# KiCad board 4servoboard-4x4.kicad_pcb (continued)
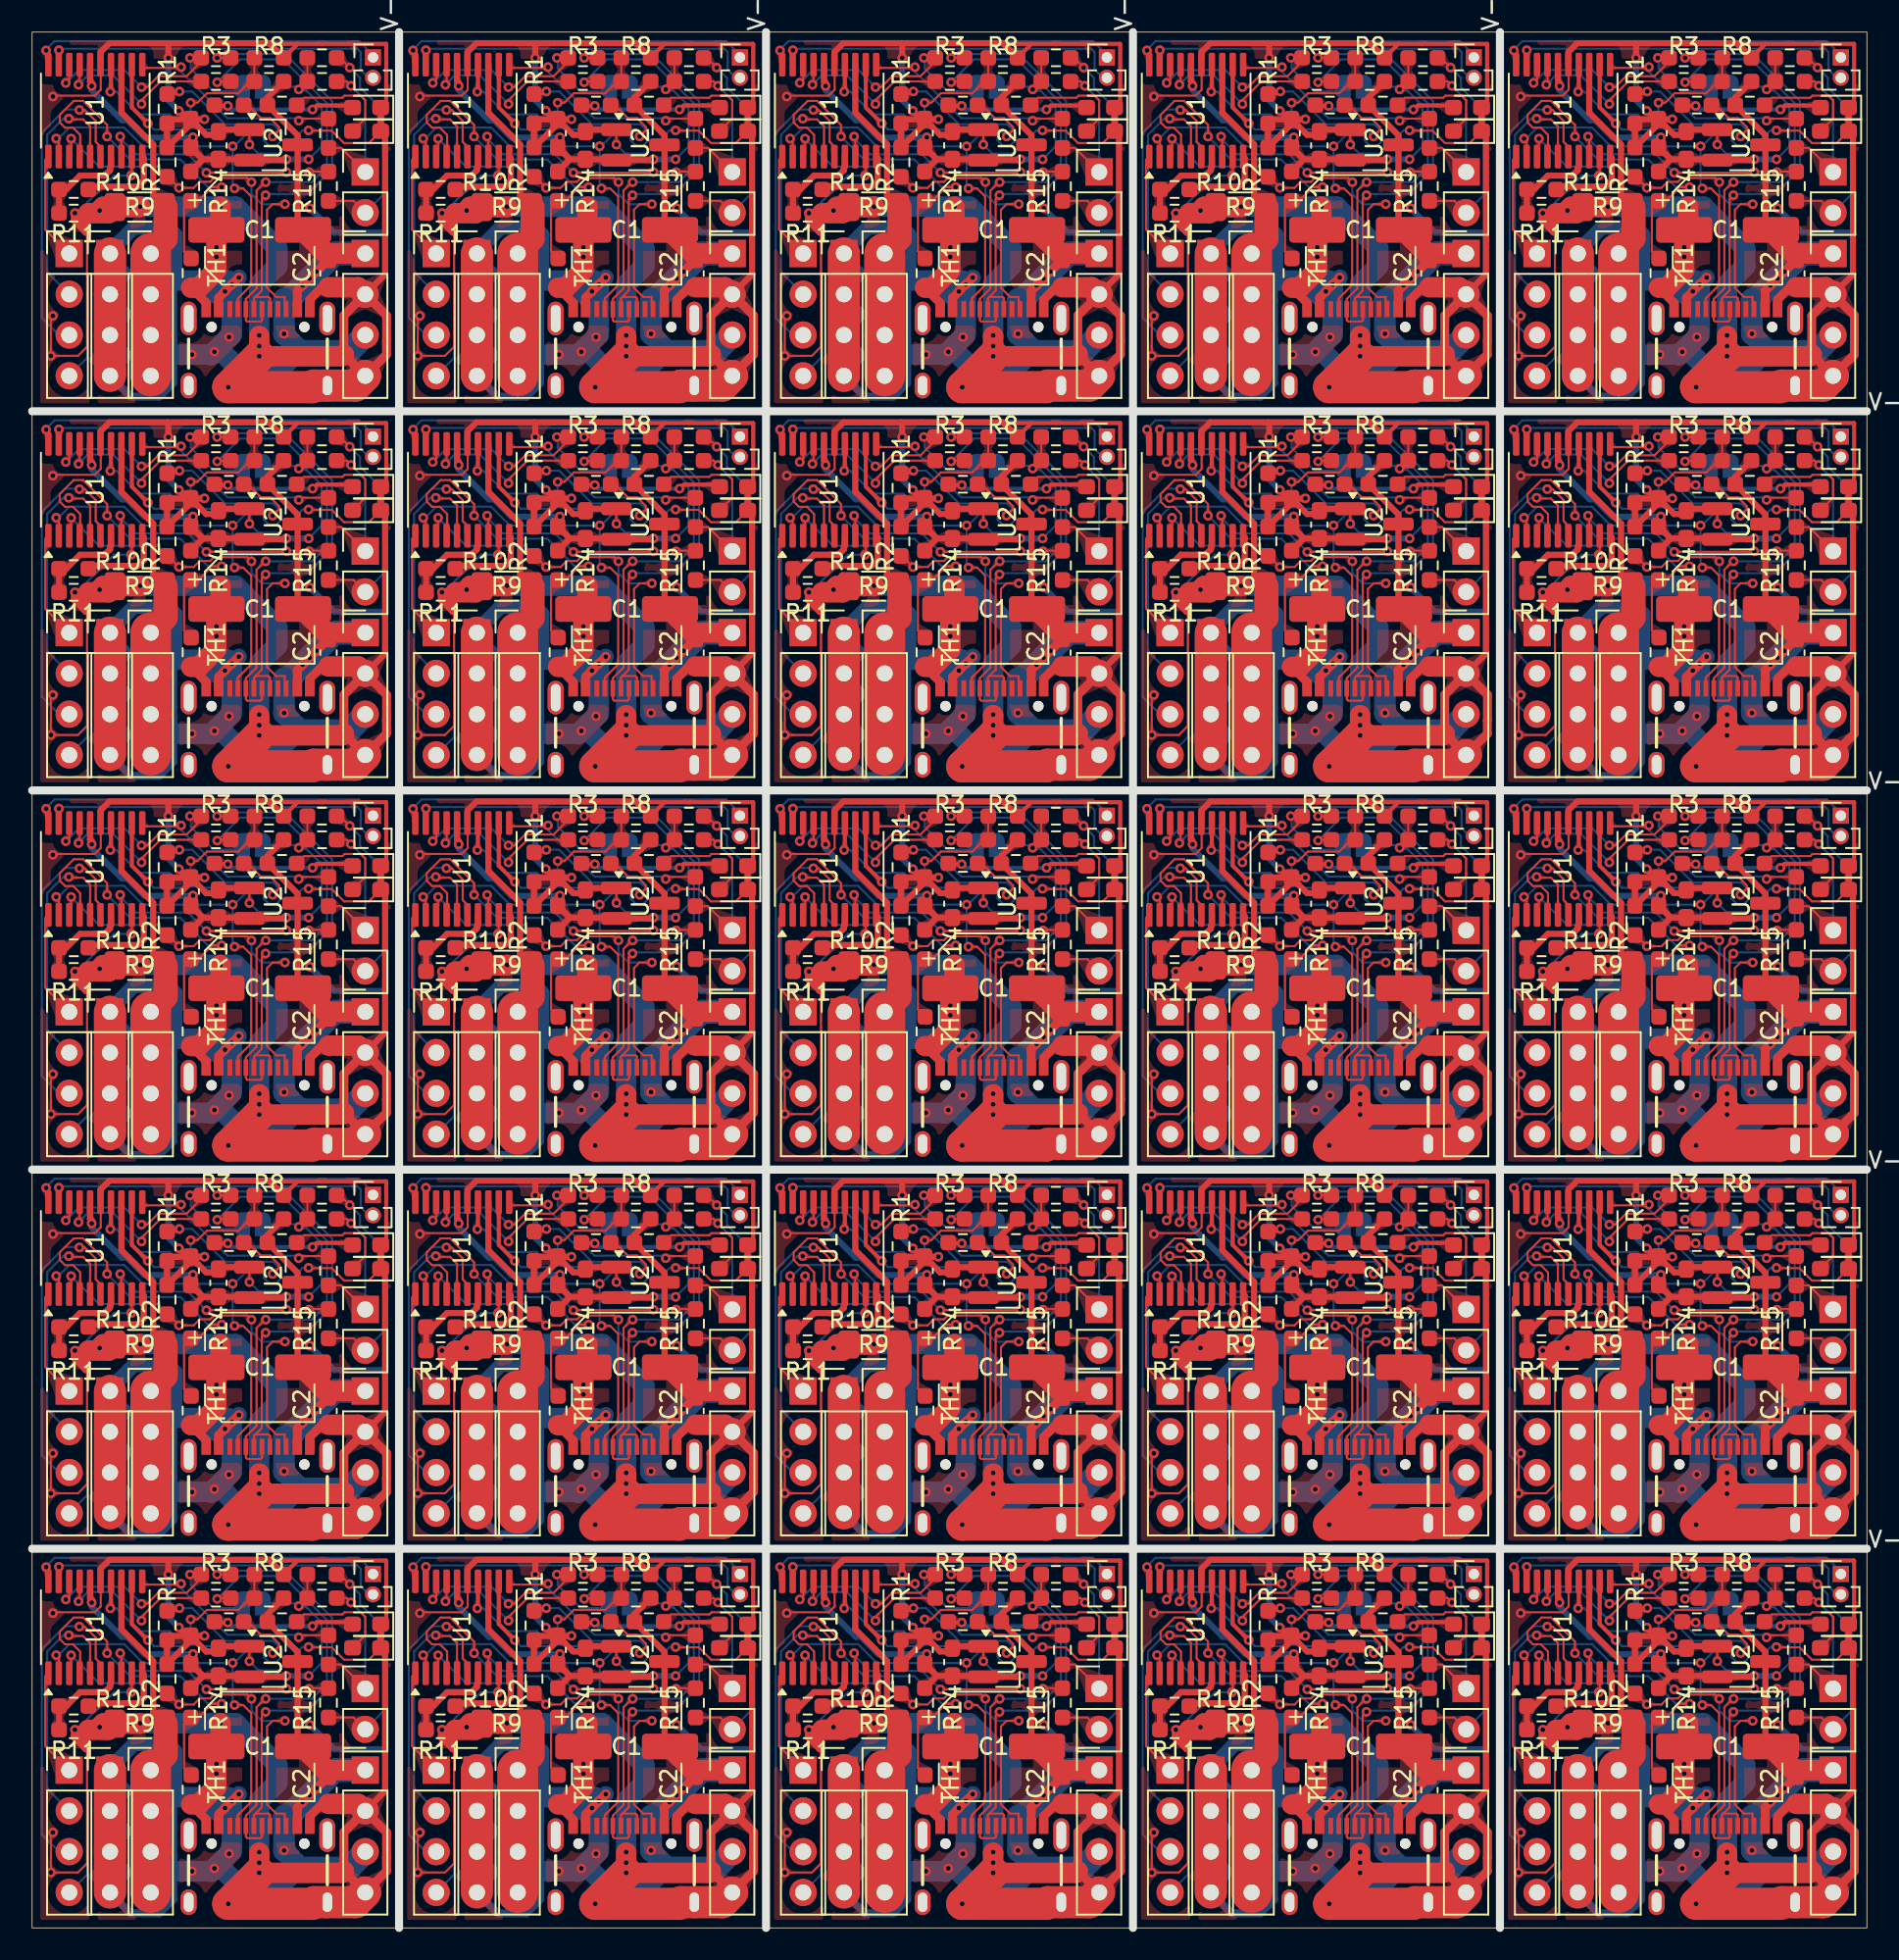
[diagram p0: board, top side]
## Placement (name value [footprint] x y rotation side) (continued)
J4#3  GND  [PinHeader_1x04_P2.54mm_Vertical]  30.25 57.07 0 top
J4#4  GND  [PinHeader_1x04_P2.54mm_Vertical]  98.83 80.7 0 top
J4#5  GND  [PinHeader_1x04_P2.54mm_Vertical]  30.25 33.45 0 top
J4#6  GND  [PinHeader_1x04_P2.54mm_Vertical]  75.97 80.7 0 top
J4#7  GND  [PinHeader_1x04_P2.54mm_Vertical]  30.25 104.32 0 top
J4#8  GND  [PinHeader_1x04_P2.54mm_Vertical]  30.25 80.7 0 top
J4#9  GND  [PinHeader_1x04_P2.54mm_Vertical]  98.83 9.83 0 top
J4#10  GND  [PinHeader_1x04_P2.54mm_Vertical]  7.39 33.45 0 top
J4#11  GND  [PinHeader_1x04_P2.54mm_Vertical]  53.11 57.07 0 top
J4#12  GND  [PinHeader_1x04_P2.54mm_Vertical]  75.97 57.07 0 top
J4#13  GND  [PinHeader_1x04_P2.54mm_Vertical]  98.83 104.32 0 top
J4#14  GND  [PinHeader_1x04_P2.54mm_Vertical]  75.97 104.32 0 top
J4#15  GND  [PinHeader_1x04_P2.54mm_Vertical]  30.25 9.83 0 top
J4#16  GND  [PinHeader_1x04_P2.54mm_Vertical]  53.11 80.7 0 top
J4#17  GND  [PinHeader_1x04_P2.54mm_Vertical]  53.11 33.45 0 top
J4#18  GND  [PinHeader_1x04_P2.54mm_Vertical]  7.39 104.32 0 top
J4#19  GND  [PinHeader_1x04_P2.54mm_Vertical]  75.97 33.45 0 top
J4#20  GND  [PinHeader_1x04_P2.54mm_Vertical]  7.39 9.83 0 top
J4#21  GND  [PinHeader_1x04_P2.54mm_Vertical]  98.83 33.45 0 top
J4#22  GND  [PinHeader_1x04_P2.54mm_Vertical]  53.11 104.32 0 top
J4#23  GND  [PinHeader_1x04_P2.54mm_Vertical]  7.39 80.7 0 top
J4#24  GND  [PinHeader_1x04_P2.54mm_Vertical]  7.39 57.07 0 top
J4#25  GND  [PinHeader_1x04_P2.54mm_Vertical]  53.11 9.83 0 top
J5  V_SERVO  [PinHeader_1x04_P2.54mm_Vertical]  50.57 80.7 0 top
J5#2  V_SERVO  [PinHeader_1x04_P2.54mm_Vertical]  4.85 33.45 0 top
J5#3  V_SERVO  [PinHeader_1x04_P2.54mm_Vertical]  73.43 80.7 0 top
J5#4  V_SERVO  [PinHeader_1x04_P2.54mm_Vertical]  96.29 33.45 0 top
J5#5  V_SERVO  [PinHeader_1x04_P2.54mm_Vertical]  4.85 104.32 0 top
J5#6  V_SERVO  [PinHeader_1x04_P2.54mm_Vertical]  50.57 104.32 0 top
J5#7  V_SERVO  [PinHeader_1x04_P2.54mm_Vertical]  4.85 57.07 0 top
J5#8  V_SERVO  [PinHeader_1x04_P2.54mm_Vertical]  96.29 80.7 0 top
J5#9  V_SERVO  [PinHeader_1x04_P2.54mm_Vertical]  27.71 57.07 0 top
J5#10  V_SERVO  [PinHeader_1x04_P2.54mm_Vertical]  27.71 9.83 0 top
J5#11  V_SERVO  [PinHeader_1x04_P2.54mm_Vertical]  4.85 9.83 0 top
J5#12  V_SERVO  [PinHeader_1x04_P2.54mm_Vertical]  73.43 57.07 0 top
J5#13  V_SERVO  [PinHeader_1x04_P2.54mm_Vertical]  50.57 9.83 0 top
J5#14  V_SERVO  [PinHeader_1x04_P2.54mm_Vertical]  4.85 80.7 0 top
J5#15  V_SERVO  [PinHeader_1x04_P2.54mm_Vertical]  96.29 104.32 0 top
J5#16  V_SERVO  [PinHeader_1x04_P2.54mm_Vertical]  27.71 104.32 0 top
J5#17  V_SERVO  [PinHeader_1x04_P2.54mm_Vertical]  96.29 57.07 0 top
J5#18  V_SERVO  [PinHeader_1x04_P2.54mm_Vertical]  27.71 33.45 0 top
J5#19  V_SERVO  [PinHeader_1x04_P2.54mm_Vertical]  50.57 33.45 0 top
J5#20  V_SERVO  [PinHeader_1x04_P2.54mm_Vertical]  73.43 33.45 0 top
J5#21  V_SERVO  [PinHeader_1x04_P2.54mm_Vertical]  73.43 9.83 0 top
J5#22  V_SERVO  [PinHeader_1x04_P2.54mm_Vertical]  73.43 104.32 0 top
J5#23  V_SERVO  [PinHeader_1x04_P2.54mm_Vertical]  96.29 9.83 0 top
J5#24  V_SERVO  [PinHeader_1x04_P2.54mm_Vertical]  50.57 57.07 0 top
J5#25  V_SERVO  [PinHeader_1x04_P2.54mm_Vertical]  27.71 80.7 0 top
J6  POWER  [PinHeader_1x04_P2.54mm_Vertical]  89.33 104.32 0 top
J6#2  POWER  [PinHeader_1x04_P2.54mm_Vertical]  89.33 33.45 0 top
J6#3  POWER  [PinHeader_1x04_P2.54mm_Vertical]  43.61 9.83 0 top
J6#4  POWER  [PinHeader_1x04_P2.54mm_Vertical]  66.47 80.7 0 top
J6#5  POWER  [PinHeader_1x04_P2.54mm_Vertical]  20.75 57.07 0 top
J6#6  POWER  [PinHeader_1x04_P2.54mm_Vertical]  112.19 33.45 0 top
J6#7  POWER  [PinHeader_1x04_P2.54mm_Vertical]  20.75 104.32 0 top
J6#8  POWER  [PinHeader_1x04_P2.54mm_Vertical]  66.47 33.45 0 top
J6#9  POWER  [PinHeader_1x04_P2.54mm_Vertical]  66.47 57.07 0 top
J6#10  POWER  [PinHeader_1x04_P2.54mm_Vertical]  20.75 9.83 0 top
J6#11  POWER  [PinHeader_1x04_P2.54mm_Vertical]  112.19 104.32 0 top
J6#12  POWER  [PinHeader_1x04_P2.54mm_Vertical]  89.33 57.07 0 top
J6#13  POWER  [PinHeader_1x04_P2.54mm_Vertical]  66.47 9.83 0 top
J6#14  POWER  [PinHeader_1x04_P2.54mm_Vertical]  66.47 104.32 0 top
J6#15  POWER  [PinHeader_1x04_P2.54mm_Vertical]  89.33 80.7 0 top
J6#16  POWER  [PinHeader_1x04_P2.54mm_Vertical]  43.61 104.32 0 top
J6#17  POWER  [PinHeader_1x04_P2.54mm_Vertical]  112.19 80.7 0 top
J6#18  POWER  [PinHeader_1x04_P2.54mm_Vertical]  20.75 33.45 0 top
J6#19  POWER  [PinHeader_1x04_P2.54mm_Vertical]  43.61 57.07 0 top
J6#20  POWER  [PinHeader_1x04_P2.54mm_Vertical]  112.19 57.07 0 top
J6#21  POWER  [PinHeader_1x04_P2.54mm_Vertical]  89.33 9.83 0 top
J6#22  POWER  [PinHeader_1x04_P2.54mm_Vertical]  43.61 33.45 0 top
J6#23  POWER  [PinHeader_1x04_P2.54mm_Vertical]  20.75 80.7 0 top
J6#24  POWER  [PinHeader_1x04_P2.54mm_Vertical]  43.61 80.7 0 top
J6#25  POWER  [PinHeader_1x04_P2.54mm_Vertical]  112.19 9.83 0 top
J7  DEBUG  [PinHeader_1x02_P1.27mm_Vertical]  112.67 116.54 0 top
J7#2  DEBUG  [PinHeader_1x02_P1.27mm_Vertical]  21.23 92.91 0 top
J7#3  DEBUG  [PinHeader_1x02_P1.27mm_Vertical]  112.67 69.29 0 top
J7#4  DEBUG  [PinHeader_1x02_P1.27mm_Vertical]  44.09 116.54 0 top
J7#5  DEBUG  [PinHeader_1x02_P1.27mm_Vertical]  21.23 45.67 0 top
J7#6  DEBUG  [PinHeader_1x02_P1.27mm_Vertical]  89.81 45.67 0 top
J7#7  DEBUG  [PinHeader_1x02_P1.27mm_Vertical]  112.67 45.67 0 top
J7#8  DEBUG  [PinHeader_1x02_P1.27mm_Vertical]  44.09 92.91 0 top
J7#9  DEBUG  [PinHeader_1x02_P1.27mm_Vertical]  89.81 69.29 0 top
J7#10  DEBUG  [PinHeader_1x02_P1.27mm_Vertical]  112.67 22.05 0 top
J7#11  DEBUG  [PinHeader_1x02_P1.27mm_Vertical]  89.81 92.91 0 top
J7#12  DEBUG  [PinHeader_1x02_P1.27mm_Vertical]  66.95 69.29 0 top
J7#13  DEBUG  [PinHeader_1x02_P1.27mm_Vertical]  66.95 116.54 0 top
J7#14  DEBUG  [PinHeader_1x02_P1.27mm_Vertical]  44.09 45.67 0 top
J7#15  DEBUG  [PinHeader_1x02_P1.27mm_Vertical]  21.23 22.05 0 top
J7#16  DEBUG  [PinHeader_1x02_P1.27mm_Vertical]  89.81 22.05 0 top
J7#17  DEBUG  [PinHeader_1x02_P1.27mm_Vertical]  112.67 92.91 0 top
J7#18  DEBUG  [PinHeader_1x02_P1.27mm_Vertical]  89.81 116.54 0 top
J7#19  DEBUG  [PinHeader_1x02_P1.27mm_Vertical]  66.95 45.67 0 top
J7#20  DEBUG  [PinHeader_1x02_P1.27mm_Vertical]  21.23 116.54 0 top
J7#21  DEBUG  [PinHeader_1x02_P1.27mm_Vertical]  21.23 69.29 0 top
J7#22  DEBUG  [PinHeader_1x02_P1.27mm_Vertical]  44.09 22.05 0 top
J7#23  DEBUG  [PinHeader_1x02_P1.27mm_Vertical]  44.09 69.29 0 top
J7#24  DEBUG  [PinHeader_1x02_P1.27mm_Vertical]  66.95 22.05 0 top
J7#25  DEBUG  [PinHeader_1x02_P1.27mm_Vertical]  66.95 92.91 0 top
JP1  SolderJumper_2_Open  [SolderJumper-2_P1.3mm_Open_RoundedPad1.0x1.5mm]  82.31 20.22 0 bottom
JP1#2  SolderJumper_2_Open  [SolderJumper-2_P1.3mm_Open_RoundedPad1.0x1.5mm]  82.31 67.46 0 bottom
JP1#3  SolderJumper_2_Open  [SolderJumper-2_P1.3mm_Open_RoundedPad1.0x1.5mm]  36.59 114.71 0 bottom
JP1#4  SolderJumper_2_Open  [SolderJumper-2_P1.3mm_Open_RoundedPad1.0x1.5mm]  82.31 91.08 0 bottom
JP1#5  SolderJumper_2_Open  [SolderJumper-2_P1.3mm_Open_RoundedPad1.0x1.5mm]  59.45 114.71 0 bottom
JP1#6  SolderJumper_2_Open  [SolderJumper-2_P1.3mm_Open_RoundedPad1.0x1.5mm]  59.45 91.08 0 bottom
JP1#7  SolderJumper_2_Open  [SolderJumper-2_P1.3mm_Open_RoundedPad1.0x1.5mm]  13.73 114.71 0 bottom
JP1#8  SolderJumper_2_Open  [SolderJumper-2_P1.3mm_Open_RoundedPad1.0x1.5mm]  13.73 91.08 0 bottom
JP1#9  SolderJumper_2_Open  [SolderJumper-2_P1.3mm_Open_RoundedPad1.0x1.5mm]  105.17 20.22 0 bottom
JP1#10  SolderJumper_2_Open  [SolderJumper-2_P1.3mm_Open_RoundedPad1.0x1.5mm]  105.17 114.71 0 bottom
JP1#11  SolderJumper_2_Open  [SolderJumper-2_P1.3mm_Open_RoundedPad1.0x1.5mm]  36.59 20.22 0 bottom
JP1#12  SolderJumper_2_Open  [SolderJumper-2_P1.3mm_Open_RoundedPad1.0x1.5mm]  36.59 67.46 0 bottom
JP1#13  SolderJumper_2_Open  [SolderJumper-2_P1.3mm_Open_RoundedPad1.0x1.5mm]  13.73 67.46 0 bottom
JP1#14  SolderJumper_2_Open  [SolderJumper-2_P1.3mm_Open_RoundedPad1.0x1.5mm]  105.17 43.84 0 bottom
JP1#15  SolderJumper_2_Open  [SolderJumper-2_P1.3mm_Open_RoundedPad1.0x1.5mm]  82.31 114.71 0 bottom
JP1#16  SolderJumper_2_Open  [SolderJumper-2_P1.3mm_Open_RoundedPad1.0x1.5mm]  13.73 43.84 0 bottom
JP1#17  SolderJumper_2_Open  [SolderJumper-2_P1.3mm_Open_RoundedPad1.0x1.5mm]  105.17 67.46 0 bottom
JP1#18  SolderJumper_2_Open  [SolderJumper-2_P1.3mm_Open_RoundedPad1.0x1.5mm]  105.17 91.08 0 bottom
JP1#19  SolderJumper_2_Open  [SolderJumper-2_P1.3mm_Open_RoundedPad1.0x1.5mm]  59.45 43.84 0 bottom
JP1#20  SolderJumper_2_Open  [SolderJumper-2_P1.3mm_Open_RoundedPad1.0x1.5mm]  59.45 67.46 0 bottom
JP1#21  SolderJumper_2_Open  [SolderJumper-2_P1.3mm_Open_RoundedPad1.0x1.5mm]  36.59 43.84 0 bottom
JP1#22  SolderJumper_2_Open  [SolderJumper-2_P1.3mm_Open_RoundedPad1.0x1.5mm]  82.31 43.84 0 bottom
JP1#23  SolderJumper_2_Open  [SolderJumper-2_P1.3mm_Open_RoundedPad1.0x1.5mm]  59.45 20.22 0 bottom
JP1#24  SolderJumper_2_Open  [SolderJumper-2_P1.3mm_Open_RoundedPad1.0x1.5mm]  36.59 91.08 0 bottom
JP1#25  SolderJumper_2_Open  [SolderJumper-2_P1.3mm_Open_RoundedPad1.0x1.5mm]  13.73 20.22 0 bottom
QR*****  -  [qr-uart-fscb]  10.54 58.19 180 bottom
QR*****#2  -  [qr-uart-fscb]  79.12 34.57 180 bottom
QR*****#3  -  [qr-uart-fscb]  10.54 10.95 180 bottom
QR*****#4  -  [qr-uart-fscb]  101.98 10.95 180 bottom
QR*****#5  -  [qr-uart-fscb]  10.54 81.81 180 bottom
QR*****#6  -  [qr-uart-fscb]  56.26 34.57 180 bottom
QR*****#7  -  [qr-uart-fscb]  56.26 81.81 180 bottom
QR*****#8  -  [qr-uart-fscb]  101.98 105.44 180 bottom
QR*****#9  -  [qr-uart-fscb]  33.4 34.57 180 bottom
QR*****#10  -  [qr-uart-fscb]  33.4 10.95 180 bottom
QR*****#11  -  [qr-uart-fscb]  101.98 58.19 180 bottom
QR*****#12  -  [qr-uart-fscb]  10.54 105.44 180 bottom
QR*****#13  -  [qr-uart-fscb]  79.12 58.19 180 bottom
QR*****#14  -  [qr-uart-fscb]  79.12 105.44 180 bottom
QR*****#15  -  [qr-uart-fscb]  33.4 58.19 180 bottom
QR*****#16  -  [qr-uart-fscb]  79.12 81.81 180 bottom
QR*****#17  -  [qr-uart-fscb]  33.4 105.44 180 bottom
QR*****#18  -  [qr-uart-fscb]  56.26 10.95 180 bottom
QR*****#19  -  [qr-uart-fscb]  101.98 34.57 180 bottom
QR*****#20  -  [qr-uart-fscb]  101.98 81.81 180 bottom
QR*****#21  -  [qr-uart-fscb]  79.12 10.95 180 bottom
QR*****#22  -  [qr-uart-fscb]  10.54 34.57 180 bottom
QR*****#23  -  [qr-uart-fscb]  56.26 105.44 180 bottom
QR*****#24  -  [qr-uart-fscb]  33.4 81.81 180 bottom
QR*****#25  -  [qr-uart-fscb]  56.26 58.19 180 bottom
R1  5.1k  [R_0603_1608Metric_Pad0.98x0.95mm_HandSolder]  8.41 89.71 90 top
R1#2  5.1k  [R_0603_1608Metric_Pad0.98x0.95mm_HandSolder]  31.27 18.85 90 top
R1#3  5.1k  [R_0603_1608Metric_Pad0.98x0.95mm_HandSolder]  31.27 66.09 90 top
R1#4  5.1k  [R_0603_1608Metric_Pad0.98x0.95mm_HandSolder]  54.13 89.71 90 top
R1#5  5.1k  [R_0603_1608Metric_Pad0.98x0.95mm_HandSolder]  54.13 42.47 90 top
R1#6  5.1k  [R_0603_1608Metric_Pad0.98x0.95mm_HandSolder]  54.13 18.85 90 top
R1#7  5.1k  [R_0603_1608Metric_Pad0.98x0.95mm_HandSolder]  54.13 113.33 90 top
R1#8  5.1k  [R_0603_1608Metric_Pad0.98x0.95mm_HandSolder]  99.85 89.71 90 top
R1#9  5.1k  [R_0603_1608Metric_Pad0.98x0.95mm_HandSolder]  8.41 66.09 90 top
R1#10  5.1k  [R_0603_1608Metric_Pad0.98x0.95mm_HandSolder]  8.41 42.47 90 top
R1#11  5.1k  [R_0603_1608Metric_Pad0.98x0.95mm_HandSolder]  99.85 42.47 90 top
R1#12  5.1k  [R_0603_1608Metric_Pad0.98x0.95mm_HandSolder]  31.27 42.47 90 top
R1#13  5.1k  [R_0603_1608Metric_Pad0.98x0.95mm_HandSolder]  99.85 18.85 90 top
R1#14  5.1k  [R_0603_1608Metric_Pad0.98x0.95mm_HandSolder]  76.99 42.47 90 top
R1#15  5.1k  [R_0603_1608Metric_Pad0.98x0.95mm_HandSolder]  76.99 18.85 90 top
R1#16  5.1k  [R_0603_1608Metric_Pad0.98x0.95mm_HandSolder]  99.85 66.09 90 top
R1#17  5.1k  [R_0603_1608Metric_Pad0.98x0.95mm_HandSolder]  76.99 66.09 90 top
R1#18  5.1k  [R_0603_1608Metric_Pad0.98x0.95mm_HandSolder]  99.85 113.33 90 top
R1#19  5.1k  [R_0603_1608Metric_Pad0.98x0.95mm_HandSolder]  31.27 89.71 90 top
R1#20  5.1k  [R_0603_1608Metric_Pad0.98x0.95mm_HandSolder]  76.99 89.71 90 top
R1#21  5.1k  [R_0603_1608Metric_Pad0.98x0.95mm_HandSolder]  8.41 113.33 90 top
R1#22  5.1k  [R_0603_1608Metric_Pad0.98x0.95mm_HandSolder]  54.13 66.09 90 top
R1#23  5.1k  [R_0603_1608Metric_Pad0.98x0.95mm_HandSolder]  76.99 113.33 90 top
R1#24  5.1k  [R_0603_1608Metric_Pad0.98x0.95mm_HandSolder]  31.27 113.33 90 top
R1#25  5.1k  [R_0603_1608Metric_Pad0.98x0.95mm_HandSolder]  8.41 18.85 90 top
R2  5.1k  [R_0603_1608Metric_Pad0.98x0.95mm_HandSolder]  76.99 39.14 270 top
R2#2  5.1k  [R_0603_1608Metric_Pad0.98x0.95mm_HandSolder]  8.41 86.39 270 top
R2#3  5.1k  [R_0603_1608Metric_Pad0.98x0.95mm_HandSolder]  54.13 86.39 270 top
R2#4  5.1k  [R_0603_1608Metric_Pad0.98x0.95mm_HandSolder]  76.99 110.01 270 top
R2#5  5.1k  [R_0603_1608Metric_Pad0.98x0.95mm_HandSolder]  54.13 39.14 270 top
R2#6  5.1k  [R_0603_1608Metric_Pad0.98x0.95mm_HandSolder]  31.27 15.52 270 top
R2#7  5.1k  [R_0603_1608Metric_Pad0.98x0.95mm_HandSolder]  8.41 110.01 270 top
R2#8  5.1k  [R_0603_1608Metric_Pad0.98x0.95mm_HandSolder]  76.99 62.77 270 top
R2#9  5.1k  [R_0603_1608Metric_Pad0.98x0.95mm_HandSolder]  99.85 62.77 270 top
R2#10  5.1k  [R_0603_1608Metric_Pad0.98x0.95mm_HandSolder]  31.27 110.01 270 top
R2#11  5.1k  [R_0603_1608Metric_Pad0.98x0.95mm_HandSolder]  31.27 62.77 270 top
R2#12  5.1k  [R_0603_1608Metric_Pad0.98x0.95mm_HandSolder]  31.27 86.39 270 top
R2#13  5.1k  [R_0603_1608Metric_Pad0.98x0.95mm_HandSolder]  99.85 110.01 270 top
R2#14  5.1k  [R_0603_1608Metric_Pad0.98x0.95mm_HandSolder]  76.99 15.52 270 top
R2#15  5.1k  [R_0603_1608Metric_Pad0.98x0.95mm_HandSolder]  99.85 15.52 270 top
R2#16  5.1k  [R_0603_1608Metric_Pad0.98x0.95mm_HandSolder]  54.13 15.52 270 top
R2#17  5.1k  [R_0603_1608Metric_Pad0.98x0.95mm_HandSolder]  31.27 39.14 270 top
R2#18  5.1k  [R_0603_1608Metric_Pad0.98x0.95mm_HandSolder]  8.41 62.77 270 top
R2#19  5.1k  [R_0603_1608Metric_Pad0.98x0.95mm_HandSolder]  8.41 15.52 270 top
R2#20  5.1k  [R_0603_1608Metric_Pad0.98x0.95mm_HandSolder]  8.41 39.14 270 top
R2#21  5.1k  [R_0603_1608Metric_Pad0.98x0.95mm_HandSolder]  76.99 86.39 270 top
R2#22  5.1k  [R_0603_1608Metric_Pad0.98x0.95mm_HandSolder]  54.13 62.77 270 top
R2#23  5.1k  [R_0603_1608Metric_Pad0.98x0.95mm_HandSolder]  99.85 39.14 270 top
R2#24  5.1k  [R_0603_1608Metric_Pad0.98x0.95mm_HandSolder]  54.13 110.01 270 top
R2#25  5.1k  [R_0603_1608Metric_Pad0.98x0.95mm_HandSolder]  99.85 86.39 270 top
R3  22  [R_0603_1608Metric_Pad0.98x0.95mm_HandSolder]  80.03 45.64 180 top
R3#2  22  [R_0603_1608Metric_Pad0.98x0.95mm_HandSolder]  57.17 45.64 180 top
R3#3  22  [R_0603_1608Metric_Pad0.98x0.95mm_HandSolder]  80.03 22.02 180 top
R3#4  22  [R_0603_1608Metric_Pad0.98x0.95mm_HandSolder]  57.17 116.51 180 top
R3#5  22  [R_0603_1608Metric_Pad0.98x0.95mm_HandSolder]  11.45 69.27 180 top
R3#6  22  [R_0603_1608Metric_Pad0.98x0.95mm_HandSolder]  102.89 22.02 180 top
R3#7  22  [R_0603_1608Metric_Pad0.98x0.95mm_HandSolder]  102.89 92.89 180 top
R3#8  22  [R_0603_1608Metric_Pad0.98x0.95mm_HandSolder]  11.45 22.02 180 top
R3#9  22  [R_0603_1608Metric_Pad0.98x0.95mm_HandSolder]  34.31 92.89 180 top
R3#10  22  [R_0603_1608Metric_Pad0.98x0.95mm_HandSolder]  34.31 116.51 180 top
R3#11  22  [R_0603_1608Metric_Pad0.98x0.95mm_HandSolder]  102.89 45.64 180 top
R3#12  22  [R_0603_1608Metric_Pad0.98x0.95mm_HandSolder]  80.03 92.89 180 top
R3#13  22  [R_0603_1608Metric_Pad0.98x0.95mm_HandSolder]  57.17 92.89 180 top
R3#14  22  [R_0603_1608Metric_Pad0.98x0.95mm_HandSolder]  102.89 116.51 180 top
R3#15  22  [R_0603_1608Metric_Pad0.98x0.95mm_HandSolder]  34.31 45.64 180 top
R3#16  22  [R_0603_1608Metric_Pad0.98x0.95mm_HandSolder]  34.31 22.02 180 top
R3#17  22  [R_0603_1608Metric_Pad0.98x0.95mm_HandSolder]  34.31 69.27 180 top
R3#18  22  [R_0603_1608Metric_Pad0.98x0.95mm_HandSolder]  80.03 69.27 180 top
R3#19  22  [R_0603_1608Metric_Pad0.98x0.95mm_HandSolder]  11.45 92.89 180 top
R3#20  22  [R_0603_1608Metric_Pad0.98x0.95mm_HandSolder]  57.17 69.27 180 top
R3#21  22  [R_0603_1608Metric_Pad0.98x0.95mm_HandSolder]  102.89 69.27 180 top
R3#22  22  [R_0603_1608Metric_Pad0.98x0.95mm_HandSolder]  11.45 116.51 180 top
R3#23  22  [R_0603_1608Metric_Pad0.98x0.95mm_HandSolder]  57.17 22.02 180 top
R3#24  22  [R_0603_1608Metric_Pad0.98x0.95mm_HandSolder]  80.03 116.51 180 top
R3#25  22  [R_0603_1608Metric_Pad0.98x0.95mm_HandSolder]  11.45 45.64 180 top
R4  22  [R_0603_1608Metric_Pad0.98x0.95mm_HandSolder]  34.31 115.04 180 top
R4#2  22  [R_0603_1608Metric_Pad0.98x0.95mm_HandSolder]  57.17 115.04 180 top
R4#3  22  [R_0603_1608Metric_Pad0.98x0.95mm_HandSolder]  11.45 67.79 180 top
R4#4  22  [R_0603_1608Metric_Pad0.98x0.95mm_HandSolder]  80.03 91.41 180 top
R4#5  22  [R_0603_1608Metric_Pad0.98x0.95mm_HandSolder]  34.31 44.17 180 top
R4#6  22  [R_0603_1608Metric_Pad0.98x0.95mm_HandSolder]  102.89 115.04 180 top
R4#7  22  [R_0603_1608Metric_Pad0.98x0.95mm_HandSolder]  80.03 67.79 180 top
R4#8  22  [R_0603_1608Metric_Pad0.98x0.95mm_HandSolder]  102.89 91.41 180 top
R4#9  22  [R_0603_1608Metric_Pad0.98x0.95mm_HandSolder]  11.45 44.17 180 top
R4#10  22  [R_0603_1608Metric_Pad0.98x0.95mm_HandSolder]  102.89 20.55 180 top
R4#11  22  [R_0603_1608Metric_Pad0.98x0.95mm_HandSolder]  57.17 67.79 180 top
R4#12  22  [R_0603_1608Metric_Pad0.98x0.95mm_HandSolder]  11.45 20.55 180 top
R4#13  22  [R_0603_1608Metric_Pad0.98x0.95mm_HandSolder]  34.31 67.79 180 top
R4#14  22  [R_0603_1608Metric_Pad0.98x0.95mm_HandSolder]  34.31 20.55 180 top
R4#15  22  [R_0603_1608Metric_Pad0.98x0.95mm_HandSolder]  57.17 91.41 180 top
R4#16  22  [R_0603_1608Metric_Pad0.98x0.95mm_HandSolder]  57.17 20.55 180 top
R4#17  22  [R_0603_1608Metric_Pad0.98x0.95mm_HandSolder]  102.89 67.79 180 top
R4#18  22  [R_0603_1608Metric_Pad0.98x0.95mm_HandSolder]  11.45 115.04 180 top
R4#19  22  [R_0603_1608Metric_Pad0.98x0.95mm_HandSolder]  102.89 44.17 180 top
R4#20  22  [R_0603_1608Metric_Pad0.98x0.95mm_HandSolder]  11.45 91.41 180 top
R4#21  22  [R_0603_1608Metric_Pad0.98x0.95mm_HandSolder]  57.17 44.17 180 top
R4#22  22  [R_0603_1608Metric_Pad0.98x0.95mm_HandSolder]  80.03 115.04 180 top
R4#23  22  [R_0603_1608Metric_Pad0.98x0.95mm_HandSolder]  34.31 91.41 180 top
R4#24  22  [R_0603_1608Metric_Pad0.98x0.95mm_HandSolder]  80.03 20.55 180 top
R4#25  22  [R_0603_1608Metric_Pad0.98x0.95mm_HandSolder]  80.03 44.17 180 top
R5  1k  [R_0603_1608Metric_Pad0.98x0.95mm_HandSolder]  84.15 19.08 180 top
R5#2  1k  [R_0603_1608Metric_Pad0.98x0.95mm_HandSolder]  107.01 42.7 180 top
R5#3  1k  [R_0603_1608Metric_Pad0.98x0.95mm_HandSolder]  61.29 89.94 180 top
R5#4  1k  [R_0603_1608Metric_Pad0.98x0.95mm_HandSolder]  61.29 42.7 180 top
R5#5  1k  [R_0603_1608Metric_Pad0.98x0.95mm_HandSolder]  84.15 42.7 180 top
R5#6  1k  [R_0603_1608Metric_Pad0.98x0.95mm_HandSolder]  84.15 66.32 180 top
R5#7  1k  [R_0603_1608Metric_Pad0.98x0.95mm_HandSolder]  15.57 19.08 180 top
R5#8  1k  [R_0603_1608Metric_Pad0.98x0.95mm_HandSolder]  107.01 89.94 180 top
R5#9  1k  [R_0603_1608Metric_Pad0.98x0.95mm_HandSolder]  107.01 113.56 180 top
R5#10  1k  [R_0603_1608Metric_Pad0.98x0.95mm_HandSolder]  84.15 113.56 180 top
R5#11  1k  [R_0603_1608Metric_Pad0.98x0.95mm_HandSolder]  15.57 113.56 180 top
R5#12  1k  [R_0603_1608Metric_Pad0.98x0.95mm_HandSolder]  38.43 42.7 180 top
R5#13  1k  [R_0603_1608Metric_Pad0.98x0.95mm_HandSolder]  61.29 113.56 180 top
R5#14  1k  [R_0603_1608Metric_Pad0.98x0.95mm_HandSolder]  15.57 42.7 180 top
R5#15  1k  [R_0603_1608Metric_Pad0.98x0.95mm_HandSolder]  61.29 66.32 180 top
R5#16  1k  [R_0603_1608Metric_Pad0.98x0.95mm_HandSolder]  107.01 66.32 180 top
R5#17  1k  [R_0603_1608Metric_Pad0.98x0.95mm_HandSolder]  38.43 19.08 180 top
R5#18  1k  [R_0603_1608Metric_Pad0.98x0.95mm_HandSolder]  38.43 89.94 180 top
R5#19  1k  [R_0603_1608Metric_Pad0.98x0.95mm_HandSolder]  84.15 89.94 180 top
R5#20  1k  [R_0603_1608Metric_Pad0.98x0.95mm_HandSolder]  107.01 19.08 180 top
R5#21  1k  [R_0603_1608Metric_Pad0.98x0.95mm_HandSolder]  15.57 66.32 180 top
R5#22  1k  [R_0603_1608Metric_Pad0.98x0.95mm_HandSolder]  15.57 89.94 180 top
R5#23  1k  [R_0603_1608Metric_Pad0.98x0.95mm_HandSolder]  61.29 19.08 180 top
R5#24  1k  [R_0603_1608Metric_Pad0.98x0.95mm_HandSolder]  38.43 66.32 180 top
R5#25  1k  [R_0603_1608Metric_Pad0.98x0.95mm_HandSolder]  38.43 113.56 180 top
R6  1k  [R_0603_1608Metric_Pad0.98x0.95mm_HandSolder]  103.71 113.56 0 top
R6#2  1k  [R_0603_1608Metric_Pad0.98x0.95mm_HandSolder]  35.13 113.56 0 top
R6#3  1k  [R_0603_1608Metric_Pad0.98x0.95mm_HandSolder]  12.27 19.08 0 top
R6#4  1k  [R_0603_1608Metric_Pad0.98x0.95mm_HandSolder]  12.27 113.56 0 top
R6#5  1k  [R_0603_1608Metric_Pad0.98x0.95mm_HandSolder]  103.71 66.32 0 top
R6#6  1k  [R_0603_1608Metric_Pad0.98x0.95mm_HandSolder]  57.99 19.08 0 top
R6#7  1k  [R_0603_1608Metric_Pad0.98x0.95mm_HandSolder]  80.85 89.94 0 top
R6#8  1k  [R_0603_1608Metric_Pad0.98x0.95mm_HandSolder]  80.85 66.32 0 top
R6#9  1k  [R_0603_1608Metric_Pad0.98x0.95mm_HandSolder]  35.13 42.7 0 top
R6#10  1k  [R_0603_1608Metric_Pad0.98x0.95mm_HandSolder]  103.71 89.94 0 top
R6#11  1k  [R_0603_1608Metric_Pad0.98x0.95mm_HandSolder]  103.71 19.08 0 top
R6#12  1k  [R_0603_1608Metric_Pad0.98x0.95mm_HandSolder]  57.99 42.7 0 top
R6#13  1k  [R_0603_1608Metric_Pad0.98x0.95mm_HandSolder]  80.85 19.08 0 top
R6#14  1k  [R_0603_1608Metric_Pad0.98x0.95mm_HandSolder]  80.85 113.56 0 top
R6#15  1k  [R_0603_1608Metric_Pad0.98x0.95mm_HandSolder]  12.27 42.7 0 top
R6#16  1k  [R_0603_1608Metric_Pad0.98x0.95mm_HandSolder]  12.27 66.32 0 top
R6#17  1k  [R_0603_1608Metric_Pad0.98x0.95mm_HandSolder]  57.99 66.32 0 top
R6#18  1k  [R_0603_1608Metric_Pad0.98x0.95mm_HandSolder]  35.13 89.94 0 top
R6#19  1k  [R_0603_1608Metric_Pad0.98x0.95mm_HandSolder]  12.27 89.94 0 top
R6#20  1k  [R_0603_1608Metric_Pad0.98x0.95mm_HandSolder]  80.85 42.7 0 top
R6#21  1k  [R_0603_1608Metric_Pad0.98x0.95mm_HandSolder]  57.99 89.94 0 top
R6#22  1k  [R_0603_1608Metric_Pad0.98x0.95mm_HandSolder]  35.13 19.08 0 top
R6#23  1k  [R_0603_1608Metric_Pad0.98x0.95mm_HandSolder]  103.71 42.7 0 top
R6#24  1k  [R_0603_1608Metric_Pad0.98x0.95mm_HandSolder]  35.13 66.32 0 top
R6#25  1k  [R_0603_1608Metric_Pad0.98x0.95mm_HandSolder]  57.99 113.56 0 top
R7  120k  [R_0603_1608Metric_Pad0.98x0.95mm_HandSolder]  37.62 20.55 180 top
R7#2  120k  [R_0603_1608Metric_Pad0.98x0.95mm_HandSolder]  37.62 115.04 180 top
R7#3  120k  [R_0603_1608Metric_Pad0.98x0.95mm_HandSolder]  14.76 20.55 180 top
R7#4  120k  [R_0603_1608Metric_Pad0.98x0.95mm_HandSolder]  37.62 67.79 180 top
R7#5  120k  [R_0603_1608Metric_Pad0.98x0.95mm_HandSolder]  106.2 44.17 180 top
R7#6  120k  [R_0603_1608Metric_Pad0.98x0.95mm_HandSolder]  106.2 91.41 180 top
R7#7  120k  [R_0603_1608Metric_Pad0.98x0.95mm_HandSolder]  60.48 20.55 180 top
R7#8  120k  [R_0603_1608Metric_Pad0.98x0.95mm_HandSolder]  60.48 91.41 180 top
R7#9  120k  [R_0603_1608Metric_Pad0.98x0.95mm_HandSolder]  37.62 44.17 180 top
R7#10  120k  [R_0603_1608Metric_Pad0.98x0.95mm_HandSolder]  14.76 44.17 180 top
R7#11  120k  [R_0603_1608Metric_Pad0.98x0.95mm_HandSolder]  106.2 20.55 180 top
R7#12  120k  [R_0603_1608Metric_Pad0.98x0.95mm_HandSolder]  14.76 67.79 180 top
R7#13  120k  [R_0603_1608Metric_Pad0.98x0.95mm_HandSolder]  83.34 20.55 180 top
R7#14  120k  [R_0603_1608Metric_Pad0.98x0.95mm_HandSolder]  60.48 44.17 180 top
R7#15  120k  [R_0603_1608Metric_Pad0.98x0.95mm_HandSolder]  83.34 115.04 180 top
R7#16  120k  [R_0603_1608Metric_Pad0.98x0.95mm_HandSolder]  83.34 44.17 180 top
R7#17  120k  [R_0603_1608Metric_Pad0.98x0.95mm_HandSolder]  83.34 91.41 180 top
R7#18  120k  [R_0603_1608Metric_Pad0.98x0.95mm_HandSolder]  60.48 115.04 180 top
R7#19  120k  [R_0603_1608Metric_Pad0.98x0.95mm_HandSolder]  14.76 115.04 180 top
R7#20  120k  [R_0603_1608Metric_Pad0.98x0.95mm_HandSolder]  83.34 67.79 180 top
R7#21  120k  [R_0603_1608Metric_Pad0.98x0.95mm_HandSolder]  14.76 91.41 180 top
R7#22  120k  [R_0603_1608Metric_Pad0.98x0.95mm_HandSolder]  106.2 67.79 180 top
R7#23  120k  [R_0603_1608Metric_Pad0.98x0.95mm_HandSolder]  60.48 67.79 180 top
R7#24  120k  [R_0603_1608Metric_Pad0.98x0.95mm_HandSolder]  106.2 115.04 180 top
R7#25  120k  [R_0603_1608Metric_Pad0.98x0.95mm_HandSolder]  37.62 91.41 180 top
R8  5.1k  [R_0603_1608Metric_Pad0.98x0.95mm_HandSolder]  106.2 116.51 0 top
R8#2  5.1k  [R_0603_1608Metric_Pad0.98x0.95mm_HandSolder]  83.34 92.89 0 top
R8#3  5.1k  [R_0603_1608Metric_Pad0.98x0.95mm_HandSolder]  60.48 45.64 0 top
R8#4  5.1k  [R_0603_1608Metric_Pad0.98x0.95mm_HandSolder]  83.34 45.64 0 top
R8#5  5.1k  [R_0603_1608Metric_Pad0.98x0.95mm_HandSolder]  60.48 116.51 0 top
R8#6  5.1k  [R_0603_1608Metric_Pad0.98x0.95mm_HandSolder]  60.48 92.89 0 top
R8#7  5.1k  [R_0603_1608Metric_Pad0.98x0.95mm_HandSolder]  37.62 45.64 0 top
R8#8  5.1k  [R_0603_1608Metric_Pad0.98x0.95mm_HandSolder]  37.62 92.89 0 top
R8#9  5.1k  [R_0603_1608Metric_Pad0.98x0.95mm_HandSolder]  106.2 45.64 0 top
R8#10  5.1k  [R_0603_1608Metric_Pad0.98x0.95mm_HandSolder]  83.34 22.02 0 top
R8#11  5.1k  [R_0603_1608Metric_Pad0.98x0.95mm_HandSolder]  60.48 22.02 0 top
R8#12  5.1k  [R_0603_1608Metric_Pad0.98x0.95mm_HandSolder]  37.62 69.27 0 top
R8#13  5.1k  [R_0603_1608Metric_Pad0.98x0.95mm_HandSolder]  106.2 69.27 0 top
R8#14  5.1k  [R_0603_1608Metric_Pad0.98x0.95mm_HandSolder]  37.62 116.51 0 top
R8#15  5.1k  [R_0603_1608Metric_Pad0.98x0.95mm_HandSolder]  14.76 69.27 0 top
R8#16  5.1k  [R_0603_1608Metric_Pad0.98x0.95mm_HandSolder]  83.34 69.27 0 top
R8#17  5.1k  [R_0603_1608Metric_Pad0.98x0.95mm_HandSolder]  60.48 69.27 0 top
R8#18  5.1k  [R_0603_1608Metric_Pad0.98x0.95mm_HandSolder]  14.76 45.64 0 top
R8#19  5.1k  [R_0603_1608Metric_Pad0.98x0.95mm_HandSolder]  83.34 116.51 0 top
R8#20  5.1k  [R_0603_1608Metric_Pad0.98x0.95mm_HandSolder]  14.76 22.02 0 top
R8#21  5.1k  [R_0603_1608Metric_Pad0.98x0.95mm_HandSolder]  37.62 22.02 0 top
R8#22  5.1k  [R_0603_1608Metric_Pad0.98x0.95mm_HandSolder]  14.76 116.51 0 top
R8#23  5.1k  [R_0603_1608Metric_Pad0.98x0.95mm_HandSolder]  106.2 22.02 0 top
R8#24  5.1k  [R_0603_1608Metric_Pad0.98x0.95mm_HandSolder]  106.2 92.89 0 top
R8#25  5.1k  [R_0603_1608Metric_Pad0.98x0.95mm_HandSolder]  14.76 92.89 0 top
R9  0.02  [R_1206_3216Metric_Pad1.30x1.75mm_HandSolder]  98.15 59.97 180 top
R9#2  0.02  [R_1206_3216Metric_Pad1.30x1.75mm_HandSolder]  98.15 83.59 180 top
R9#3  0.02  [R_1206_3216Metric_Pad1.30x1.75mm_HandSolder]  98.15 12.73 180 top
R9#4  0.02  [R_1206_3216Metric_Pad1.30x1.75mm_HandSolder]  52.43 36.35 180 top
R9#5  0.02  [R_1206_3216Metric_Pad1.30x1.75mm_HandSolder]  52.43 59.97 180 top
R9#6  0.02  [R_1206_3216Metric_Pad1.30x1.75mm_HandSolder]  52.43 107.21 180 top
R9#7  0.02  [R_1206_3216Metric_Pad1.30x1.75mm_HandSolder]  75.28 36.35 180 top
R9#8  0.02  [R_1206_3216Metric_Pad1.30x1.75mm_HandSolder]  98.15 36.35 180 top
R9#9  0.02  [R_1206_3216Metric_Pad1.30x1.75mm_HandSolder]  6.7 59.97 180 top
R9#10  0.02  [R_1206_3216Metric_Pad1.30x1.75mm_HandSolder]  29.56 59.97 180 top
R9#11  0.02  [R_1206_3216Metric_Pad1.30x1.75mm_HandSolder]  29.56 12.73 180 top
R9#12  0.02  [R_1206_3216Metric_Pad1.30x1.75mm_HandSolder]  6.7 83.59 180 top
R9#13  0.02  [R_1206_3216Metric_Pad1.30x1.75mm_HandSolder]  6.7 36.35 180 top
R9#14  0.02  [R_1206_3216Metric_Pad1.30x1.75mm_HandSolder]  6.7 12.73 180 top
R9#15  0.02  [R_1206_3216Metric_Pad1.30x1.75mm_HandSolder]  75.28 59.97 180 top
R9#16  0.02  [R_1206_3216Metric_Pad1.30x1.75mm_HandSolder]  29.56 83.59 180 top
R9#17  0.02  [R_1206_3216Metric_Pad1.30x1.75mm_HandSolder]  6.7 107.21 180 top
R9#18  0.02  [R_1206_3216Metric_Pad1.30x1.75mm_HandSolder]  52.43 83.59 180 top
R9#19  0.02  [R_1206_3216Metric_Pad1.30x1.75mm_HandSolder]  75.28 83.59 180 top
R9#20  0.02  [R_1206_3216Metric_Pad1.30x1.75mm_HandSolder]  29.56 36.35 180 top
R9#21  0.02  [R_1206_3216Metric_Pad1.30x1.75mm_HandSolder]  29.56 107.21 180 top
R9#22  0.02  [R_1206_3216Metric_Pad1.30x1.75mm_HandSolder]  75.28 12.73 180 top
R9#23  0.02  [R_1206_3216Metric_Pad1.30x1.75mm_HandSolder]  52.43 12.73 180 top
R9#24  0.02  [R_1206_3216Metric_Pad1.30x1.75mm_HandSolder]  75.28 107.21 180 top
R9#25  0.02  [R_1206_3216Metric_Pad1.30x1.75mm_HandSolder]  98.15 107.21 180 top
R10  120k  [R_0603_1608Metric_Pad0.98x0.95mm_HandSolder]  48.31 61.06 180 top
R10#2  120k  [R_0603_1608Metric_Pad0.98x0.95mm_HandSolder]  48.31 108.31 180 top
R10#3  120k  [R_0603_1608Metric_Pad0.98x0.95mm_HandSolder]  94.03 37.44 180 top
R10#4  120k  [R_0603_1608Metric_Pad0.98x0.95mm_HandSolder]  94.03 13.82 180 top
R10#5  120k  [R_0603_1608Metric_Pad0.98x0.95mm_HandSolder]  71.17 61.06 180 top
R10#6  120k  [R_0603_1608Metric_Pad0.98x0.95mm_HandSolder]  2.59 84.68 180 top
R10#7  120k  [R_0603_1608Metric_Pad0.98x0.95mm_HandSolder]  48.31 37.44 180 top
R10#8  120k  [R_0603_1608Metric_Pad0.98x0.95mm_HandSolder]  2.59 61.06 180 top
R10#9  120k  [R_0603_1608Metric_Pad0.98x0.95mm_HandSolder]  25.45 61.06 180 top
R10#10  120k  [R_0603_1608Metric_Pad0.98x0.95mm_HandSolder]  25.45 13.82 180 top
R10#11  120k  [R_0603_1608Metric_Pad0.98x0.95mm_HandSolder]  48.31 13.82 180 top
R10#12  120k  [R_0603_1608Metric_Pad0.98x0.95mm_HandSolder]  94.03 61.06 180 top
R10#13  120k  [R_0603_1608Metric_Pad0.98x0.95mm_HandSolder]  25.45 84.68 180 top
R10#14  120k  [R_0603_1608Metric_Pad0.98x0.95mm_HandSolder]  71.17 13.82 180 top
R10#15  120k  [R_0603_1608Metric_Pad0.98x0.95mm_HandSolder]  71.17 84.68 180 top
R10#16  120k  [R_0603_1608Metric_Pad0.98x0.95mm_HandSolder]  2.59 108.31 180 top
R10#17  120k  [R_0603_1608Metric_Pad0.98x0.95mm_HandSolder]  25.45 37.44 180 top
R10#18  120k  [R_0603_1608Metric_Pad0.98x0.95mm_HandSolder]  71.17 37.44 180 top
R10#19  120k  [R_0603_1608Metric_Pad0.98x0.95mm_HandSolder]  71.17 108.31 180 top
R10#20  120k  [R_0603_1608Metric_Pad0.98x0.95mm_HandSolder]  48.31 84.68 180 top
R10#21  120k  [R_0603_1608Metric_Pad0.98x0.95mm_HandSolder]  25.45 108.31 180 top
R10#22  120k  [R_0603_1608Metric_Pad0.98x0.95mm_HandSolder]  94.03 108.31 180 top
R10#23  120k  [R_0603_1608Metric_Pad0.98x0.95mm_HandSolder]  2.59 13.82 180 top
R10#24  120k  [R_0603_1608Metric_Pad0.98x0.95mm_HandSolder]  2.59 37.44 180 top
R10#25  120k  [R_0603_1608Metric_Pad0.98x0.95mm_HandSolder]  94.03 84.68 180 top
R11  5.1k  [R_0603_1608Metric_Pad0.98x0.95mm_HandSolder]  48.31 12.34 0 top
R11#2  5.1k  [R_0603_1608Metric_Pad0.98x0.95mm_HandSolder]  48.31 35.97 0 top
R11#3  5.1k  [R_0603_1608Metric_Pad0.98x0.95mm_HandSolder]  48.31 59.59 0 top
R11#4  5.1k  [R_0603_1608Metric_Pad0.98x0.95mm_HandSolder]  94.03 106.83 0 top
R11#5  5.1k  [R_0603_1608Metric_Pad0.98x0.95mm_HandSolder]  94.03 35.97 0 top
R11#6  5.1k  [R_0603_1608Metric_Pad0.98x0.95mm_HandSolder]  71.17 83.21 0 top
R11#7  5.1k  [R_0603_1608Metric_Pad0.98x0.95mm_HandSolder]  94.03 83.21 0 top
R11#8  5.1k  [R_0603_1608Metric_Pad0.98x0.95mm_HandSolder]  94.03 59.59 0 top
R11#9  5.1k  [R_0603_1608Metric_Pad0.98x0.95mm_HandSolder]  71.17 35.97 0 top
R11#10  5.1k  [R_0603_1608Metric_Pad0.98x0.95mm_HandSolder]  2.59 106.83 0 top
R11#11  5.1k  [R_0603_1608Metric_Pad0.98x0.95mm_HandSolder]  25.45 59.59 0 top
R11#12  5.1k  [R_0603_1608Metric_Pad0.98x0.95mm_HandSolder]  2.59 35.97 0 top
R11#13  5.1k  [R_0603_1608Metric_Pad0.98x0.95mm_HandSolder]  25.45 83.21 0 top
R11#14  5.1k  [R_0603_1608Metric_Pad0.98x0.95mm_HandSolder]  71.17 12.34 0 top
R11#15  5.1k  [R_0603_1608Metric_Pad0.98x0.95mm_HandSolder]  71.17 106.83 0 top
R11#16  5.1k  [R_0603_1608Metric_Pad0.98x0.95mm_HandSolder]  2.59 83.21 0 top
R11#17  5.1k  [R_0603_1608Metric_Pad0.98x0.95mm_HandSolder]  25.45 35.97 0 top
R11#18  5.1k  [R_0603_1608Metric_Pad0.98x0.95mm_HandSolder]  25.45 106.83 0 top
R11#19  5.1k  [R_0603_1608Metric_Pad0.98x0.95mm_HandSolder]  25.45 12.34 0 top
R11#20  5.1k  [R_0603_1608Metric_Pad0.98x0.95mm_HandSolder]  2.59 12.34 0 top
R11#21  5.1k  [R_0603_1608Metric_Pad0.98x0.95mm_HandSolder]  2.59 59.59 0 top
R11#22  5.1k  [R_0603_1608Metric_Pad0.98x0.95mm_HandSolder]  48.31 106.83 0 top
R11#23  5.1k  [R_0603_1608Metric_Pad0.98x0.95mm_HandSolder]  71.17 59.59 0 top
R11#24  5.1k  [R_0603_1608Metric_Pad0.98x0.95mm_HandSolder]  48.31 83.21 0 top
R11#25  5.1k  [R_0603_1608Metric_Pad0.98x0.95mm_HandSolder]  94.03 12.34 0 top
R12  1k  [R_0603_1608Metric_Pad0.98x0.95mm_HandSolder]  40.92 44.17 0 top
